# Altium PCB LimeSDR-Micro_M.2_2280_1v2.PcbDoc (part 2 of 9)
Units mm, origin at the board's own origin, x right, y up, seen from the top; angles counter-clockwise.
Board outline 80 x 22 mm, 8 copper layers (Top, L2, L3, L4, L5, L6, L7, Bottom), stack 0.775 mm thick; 678 components, 387 nets, 2375 pads, 919 vias.
Unrouted connection lines stored in the file: 254.
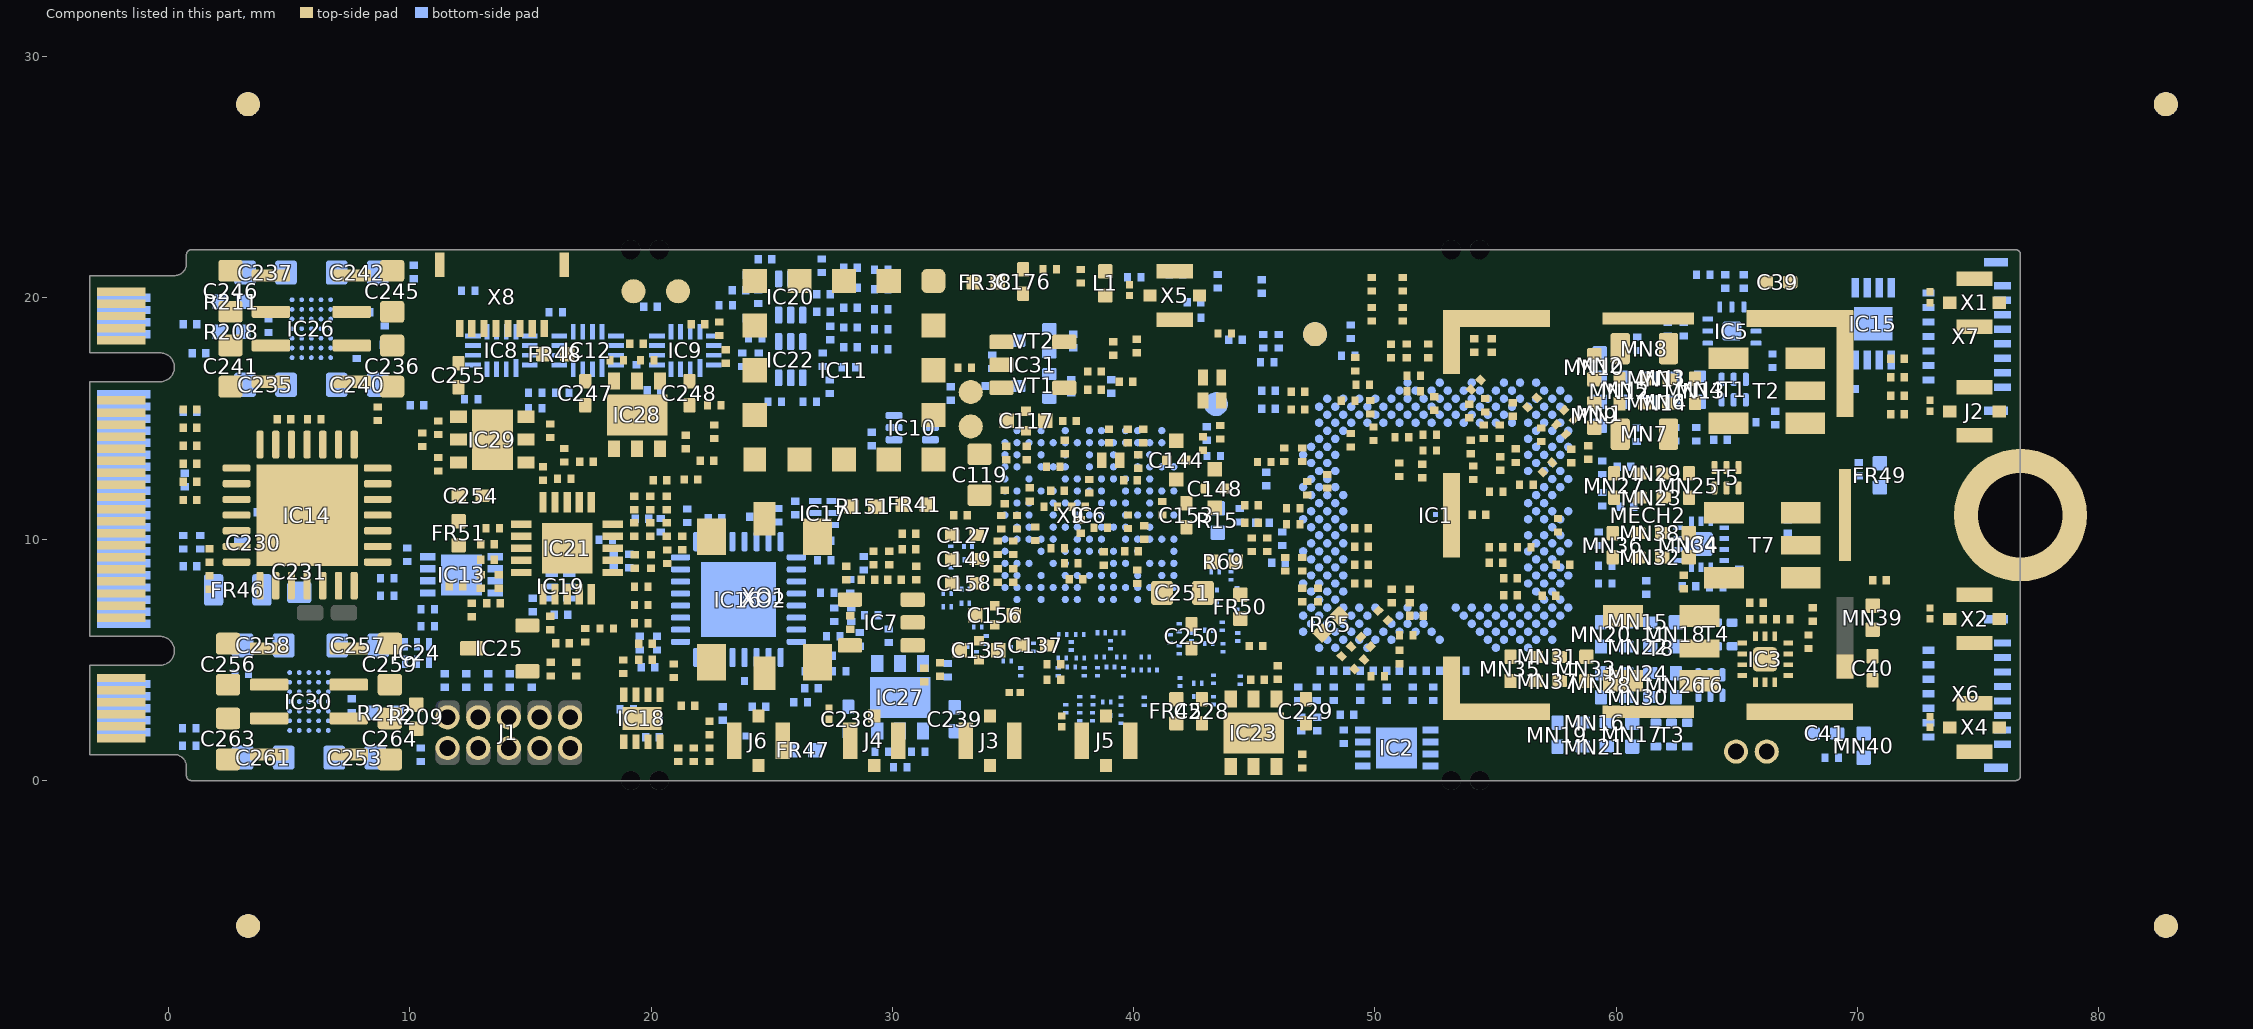
[diagram p8: the components of this part, seen from the top]

## Components (designator, comment, footprint, x,y, rotation, side; value= is the part's Value field where it differs from the comment) (continued)
R139 "10k, 1%" RES0201 1.705,8.205 r90 top
R140 "0R" RES0201 44.22,18.27 r180 bottom
R141 "0R" RES0201 43.487,20.695 r90 bottom
R142 "0R" RES0201 43.775,18.525 r0 top
R143 "330R, 1%" RES0201 0.9,15.275 r0 bottom
R144 "100k, 1%" RES0201 1.27,17.7 r180 bottom
R145 "330R, 1%" RES0201 49.875,19.325 r270 top
R146 "0R" RES0201 8.675,15.2 r90 top
R147 "100k, 1%" RES0201 1.325,9.875 r270 bottom
R148 "330R, 1%" RES0201 51.15,19.325 r270 top
R149 "100k, 1%" RES0201 6.045,14.975 r0 top
R150 "47R, 1%" RES0201 27.8,4.525 r0 bottom
R151 "0R" RES0402#1 28.8,11.35 r0 top
R152 "47R, 1%" RES0201 26.2,3.25 r0 bottom
R153 "0R" RES0201 27.175,9.125 r0 bottom
R154 "0R" RES0201 27.3,7.775 r0 bottom
R155 "0R" RES0201 0.625,9.875 r270 bottom
R156 "0R" RES0201 19.875,4.7 r0 bottom
R157 "0R" RES0201 22.975,2.775 r90 bottom
R158 "0R" RES0201 27.17,9.942 r180 bottom
R159 "10k, 1%" RES0201 25.975,11.295 r270 bottom
R160 "0R" RES0201 0.9,8.875 r180 bottom
R161 "100R, 1%" RES0201 21.12,1.065 r90 top
R162 "10k, 1%" RES0201 22.425,2.175 r270 top
R163 "0R" RES0201 18.855,4.72 r90 top
R164 "0R" RES0201 19.775,5 r180 top
R165 "0R" RES0201 16.275,6.875 r0 bottom
R166 "10k, 1%" RES0201 21.77,1.065 r270 top
R167 "0R" RES0201 36.695,4.175 r180 top
R168 "0R" RES0201 19,2.95 r180 bottom
R169 "3k, 1%" RES0201 19.775,5.675 r0 top
R170 "12.7k, 1%" RES0201 20.058,1.8 r180 bottom
R171 "0R" RES0201 24.45,20.05 r270 bottom
R172 "47R, 1%" RES0201 16.4,13.48 r90 top
R173 "0R" RES0201 24.725,21.6 r0 bottom
R174 "0R" RES0201 23.65,20.325 r180 bottom
R175 "10R, 1%" RES0201 21.3,9.84 r270 top
R176 "0R" RES0201 27.15,20.15 r180 bottom
R177 "1k, 1%" RES0201 13.475,7.35 r0 top
R178 "47R, 1%" RES0201 36.695,4.825 r180 top
R179 "0R" RES0201 27.43,18.545 r90 bottom
R180 "470, 1%" RES0201 19.3,11.5 r270 top
R181 "47R, 1%" RES0201 12.95,8.25 r270 top
R182 "0R" RES0201 27.15,19.425 r180 bottom
R183 "0R" RES0201 24.464,17.44 r270 bottom
R184 "10k, 1%" RES0201 19.3,10.4 r90 top
R185 "330R, 1%" RES0201 20.375,12.45 r180 top
R186 "10k, 1%" RES0201 19.6,8.025 r0 top
R187 "0R" RES0201 23.789,17.44 r270 bottom
R188 "47R, 1%" RES0201 18.17,6.3 r0 top
R189 "0R" RES0201 0.675,12.45 r270 bottom
R190 "47R, 1%" RES0201 19.6,6.525 r0 top
R191 "47R, 1%" RES0201 19.6,7.275 r0 top
R192 "0R" RES0201 3.968,11.125 r180 bottom
R193 "0R" RES0201 27.114,17.44 r270 bottom
R194 "0R" RES0201 45.075,5.575 r0 top
R195 "10k, 1%" RES0201 10.75,6.4 r180 bottom
R196 "5.6k, 1%" RES0201 45.975,4.475 r90 top
R197 "330R, 1%" RES0201 16.901,4.617 r270 top
R198 "0R" RES0201 16.331,5.688 r180 top
R199 "10k, 1%" RES0201 45.13,4.175 r0 top
R200 "0R" RES0201 15.826,6.525 r90 top
R201 "0R" RES0201 30.325,0.55 r0 bottom
R202 "7.5k, 1%" RES0201 31.07,1.2 r180 bottom
R203 "10k, 1%" RES0201 29.56,1.2 r180 bottom
R204 "3k3, 1%" RES0201 8.08,19.4 r180 bottom
R205 "47k, 1%" RES0201 7.8,17.77 r90 bottom
R206 "100k, 1%" RES0201 8.966,19.12 r270 bottom
R207 "0R" RES0201 19.4,18.1 r0 top
R208 "0R" RES0402#2 2.6,18.6 r180 bottom
R209 "0R" RES0402#1 10.275,2.65 r90 top
R210 "0R" RES0201 40.125,18.005 r270 top
R211 "0R" RES0402#2 2.6,19.85 r180 bottom
R212 "0R" RES0402#2 8.975,2.8 r0 bottom
R213 "0R" RES0201 39.68,16.525 r0 top
R214 "12.7k, 1%" RES0201 19.845,17.425 r180 top
R215 "0R" RES0201 9.175,18.05 r180 bottom
R216 "10k, 1%" RES0201 18.585,17.425 r180 top
R217 "0R" RES0201 10.525,14.125 r90 top
R218 "31.6k, 1%" RES0201 11.175,14.62 r270 top
R219 "10k, 1%" RES0201 11.175,13.11 r270 top
R220 "3k3, 1%" RES0201 3.045,4.425 r0 bottom
R221 "100k, 1%" RES0201 0.87,2.175 r0 bottom
R222 "3k3, 1%" RES0201 0.87,1.45 r0 bottom
R223 "3k3, 1%" RES0201 38.375,16.95 r180 top
R224 "4.7k, 1%" RES0201 38.375,16.2 r0 top
R225 "0R" RES0201 10.175,21.075 r270 bottom
R226 "0R" RES0201 12.425,20.3 r180 bottom
R227 "0R" RES0201 45.3,20.475 r90 bottom
R228 "0R" RES0201 10.3,15.55 r180 bottom
R229 "0R" RES0201 71.655,16.715 r0 top
R230 "0R" RES0201 71.655,15.175 r0 top
R231 "0R" RES0201 71.655,15.945 r0 top
R232 "0R" RES0201 71.655,17.485 r0 top
T1 "3600BL14M050" 3600BL14M050_balun_0603 64.867,16.2 r0 bottom
T2 "TC1-1-13M-45+" TC1-1-13MA+_JA4220-AL_ 66.241,16.15 r270 top
T3 "B0322J5050AHF" Anaren_0805_balun_B0322J5050AHF 62.291,1.9 r0 bottom
T4 "B0322J5050AHF" Anaren_0805_balun_B0322J5050AHF 64.15,6.055 r0 bottom
T5 "3600BL14M050" 3600BL14M050_balun_0603 64.566,12.55 r0 top
T6 "3600BL14M050" 3600BL14M050_balun_0603 63.899,3.955 r0 bottom
T7 "TC1-1-13M-45+" TC1-1-13MA+_JA4220-AL_ 66.054,9.75 r270 top
T8 "TC1-1-13M-45+" TC1-1-13MA+_JA4220-AL_ 61.866,5.475 r270 top
TP1 "TESTPOINT_PAD" TP_PAD_1MM#1 43.416,15.6 r180 bottom
TP2 "TESTPOINT_PAD" TP_PAD_1MM#2 33.25,16.1 r90 top
TP3 "TESTPOINT_PAD" TP_PAD_1MM#1 19.275,20.275 r90 top
TP4 "TESTPOINT_PAD" TP_PAD_1MM#1 21.12,20.275 r90 top
TP5 "TESTPOINT_PAD" TP_PAD_1MM#2 33.25,14.675 r90 top
VT1 "DMG1012T" SOT523 35.866,16.35 r180 bottom
VT2 "DMG1012T" SOT523 35.866,18.225 r180 bottom
X1 "MHF4" IPEX_MHF4_conn 74.85,19.8 r90 top locked
X2 "MHF4" IPEX_MHF4_conn 74.85,6.7 r90 top locked
X4 "MHF4" IPEX_MHF4_conn 74.85,2.2 r90 top locked
X5 "MHF4" IPEX_MHF4_conn 41.7,20.1 r90 top
X6 "5025981593" 5025981593_FPC_CONNECTOR 74.475,3.6 r270 bottom locked
X7 "5025981593" 5025981593_FPC_connector 74.475,18.4 r270 bottom locked
X8 "8-pin FPC connector" 503480-0800_8PIN_FPC_CONN 13.825,20.05 r180 top locked
X9 "PCIe_M.2_2280_B+M_key" PCIE_M.2_2280_B+M_KEY -3.25,11 r270 top locked
XO1 "E6245LF 30.72 MHz" RAKON_RPT7050A 24.7,7.65 r90 top locked
XO2 "E5280LF 30.72MHz" RAKON_TXCO 24.7,7.65 r90 top locked

## Footprints (in the part's own frame and the unit in brackets; to place one, negate y for a bottom-side part, rotate by r counter-clockwise, add the part's x,y. Pads: shape width x height; smd on the part's side, far side on the other; paste and mask are expansions set on the pad)
74LVC1G3157FZ4_SPDT_SW_DFN1410-6 [mm]
  rect 0.525x0.25 smd mask+0.05: 1(-0.363,0.5) 2(-0.363,0) 3(-0.363,-0.5) 4(0.363,-0.5) 5(0.363,0) 6(0.363,0.5)
  silkscreen extent -0.82,-0.8 0.5,0.9, body extent -0.51,-0.7 0.51,0.7, height 0.4
3600BL14M050_balun_0603 [mm]
  rrect50% 0.25x0.55 smd mask+0.04: 1(0.5,0.425) 2(0,0.425) 3(-0.5,0.425) 4(-0.5,-0.425) 5(0,-0.425) 6(0.5,-0.425)
  silkscreen extent -0.92,-0.53 0.92,0.53, body extent -0.8,-0.41 0.8,0.41, height 0.6
503480-0800_8PIN_FPC_CONN [mm]
  rect 0.3x0.7 smd mask+0.05: 1(-1.75,1.325) 2(-1.25,1.325) 3(-0.75,1.325) 4(-0.25,1.325) 5(0.25,1.325) 6(0.75,1.325) 7(1.25,1.325) 8(1.75,1.325)
  rect 0.4x1 smd mask+0.05: MECH(-2.58,-1.325) MECH(2.58,-1.325)
  silkscreen extent -3,-1.8 3,2.03, body extent -2.85,-1.92 2.85,1.68, height 1.88
5025981593_FPC_CONNECTOR [mm]
  rect 0.3x0.7 smd mask+0.05: 1(-2.1,-1.532) 3(-1.5,-1.532) 5(-0.9,-1.532) 7(-0.3,-1.532) 9(0.3,-1.532) 11(0.9,-1.532) 13(1.5,-1.532) 15(2.1,-1.532)
  rect 0.3x0.5 smd mask+0.05: 2(-1.8,1.533) 4(-1.2,1.533) 6(-0.6,1.533) 8(0,1.533) 10(0.6,1.533) 12(1.2,1.533) 14(1.8,1.533)
  rect 0.35x1 smd mask+0.05: MP1(-3.075,-1.267) MP2(3.075,-1.267)
  silkscreen extent -3.3,-1.9 3.3,1.78, body extent -3.3,-1.77 3.3,2.03, height 1.16
5025981593_FPC_connector [mm]
  rect 0.3x0.7 smd mask+0.05: 1(-2.1,-1.532) 3(-1.5,-1.532) 5(-0.9,-1.532) 7(-0.3,-1.532) 9(0.3,-1.532) 11(0.9,-1.532) 13(1.5,-1.532) 15(2.1,-1.532)
  rect 0.3x0.5 smd mask+0.05: 2(-1.8,1.533) 4(-1.2,1.533) 6(-0.6,1.533) 8(0,1.533) 10(0.6,1.533) 12(1.2,1.533) 14(1.8,1.533)
  rect 0.35x1 smd mask+0.05: MP1(-3.075,-1.267) MP2(3.075,-1.267)
  silkscreen extent -3.3,-1.9 3.3,1.78, body extent -3.3,-1.77 3.3,2.03, height 1.16
AD5693RACPZ-1RL7_DAC_8LFCSP [mm]
  rect 0.6x0.3 smd mask+0.05: 1(-0.975,0.75) 2(-0.975,0.25) 3(-0.975,-0.25) 4(-0.975,-0.75) 5(0.975,-0.75) 6(0.975,-0.25) 7(0.975,0.25) 8(0.975,0.75)
  rect 0.95x1.6 smd mask+0.05: PAD(0,0)
  silkscreen extent -1.5,-1.1 1.5,1.54, body extent -1.02,-1 1.01,1, height 0.55
ADF4002 [mm]
  rect 0.85x0.3 smd mask+0.05: 1(-1.9,1) 2(-1.9,0.5) 3(-1.9,0) 4(-1.9,-0.5) 5(-1.9,-1) 11(1.9,-1) 12(1.9,-0.5) 13(1.9,0) 14(1.9,0.5) 15(1.9,1)
  rect 0.3x0.85 smd mask+0.05: 6(-1,-1.9) 7(-0.5,-1.9) 8(0,-1.9) 9(0.5,-1.9) 10(1,-1.9) 16(1,1.9) 17(0.5,1.9) 18(0,1.9) 19(-0.5,1.9) 20(-1,1.9)
  rect 2.1x2.1 smd mask+0.05: 21(0,0)
  silkscreen extent -2.3,-2.22 2.3,2.22, body extent -2.02,-2.02 2.02,2.02, height 0.8
Anaren_0805_balun_B0322J5050AHF [mm] "B0430J50100AHF anaren smd 0.4 GHz - 3 GHz balun"
  rrect30% 0.45x0.35 smd mask+0.05: 1(0.65,0.49) 2(0,0.49) 3(-0.65,0.49) 4(-0.65,-0.49) 5(0,-0.49) 6(0.65,-0.49)
  ASM BOT keep-out circle w0.1: c0.65,0.45 r0.035
  silkscreen extent -1.1,-0.4 1.1,0.8, body extent -1.02,-0.65 1.03,0.65, height 0.71
AP7330-W5-7_SOT25 [mm]
  round 0.5 on Mech15: 0(0,0)
  rrect25% 1x0.6 smd: 1(-1.3,0.95) 2(-1.3,0) 3(-1.3,-0.95) 4(1.3,-0.95) 5(1.3,0.95)
  silkscreen extent -1.27,-1.35 0.51,1.7, body extent -1.4,-1.45 1.4,1.45, height 1.19
ATECC508A_UDFN8_v2 [mm]
  rect 0.8x0.3 smd mask+0.05: 1(-1.5,0.75) 2(-1.5,0.25) 3(-1.5,-0.25) 4(-1.5,-0.75) 5(1.5,-0.75) 6(1.5,-0.25) 7(1.5,0.25) 8(1.5,0.75)
  rect 1.4x1.6 smd mask+0.05: PAD(0,0)
  silkscreen extent -1.64,-1.1 1.2,1.24, body extent -1.5,-1 1.5,1, height 0.53
BMI-S-202-C_RF_SHIELD_COVER [mm]
  body extent -8.48,-8.48 8.48,8.48, height 4.03
BMI-S-202-F_RF_SHIELD_FRAME_v3 [mm]
  rect 0.7x2.65 smd mask+0.05: 1(-8.15,-7.175) 1(-8.15,7.175)
  rect 0.7x3.5 smd mask+0.05: 1(-8.15,0)
  rect 4.4x0.7 smd mask+0.05: 1(-6.275,-8.15) 1(-6.275,8.15) 1(6.275,-8.15) 1(6.275,8.15)
  rect 3.8x0.5 smd mask+0.05: 1(0,-8.15) 1(0,8.15)
  rect 0.7x1 smd mask+0.05: 1(8.15,-6.275)
  rect 0.5x3.8 smd mask+0.05: 1(8.15,0)
  rect 0.7x4.4 smd mask+0.05: 1(8.15,6.275)
  body extent -8.25,-8.25 8.25,8.25, height 3.6
CAP0201 [mm]
  rect 0.3x0.35 smd mask+0.05: 1(-0.28,0) 2(0.28,0)
  silkscreen extent -0.2,-0.33 0.2,0.32, body extent -0.3,-0.15 0.3,0.15, height 0.25
CAP0402#1 [mm] "Chip Capacitor, Body 1.0x0.5mm, 0402, IPC Medium Density"
  round 0.2 on Mech15: 0(0,0)
  rrect20% 0.6x0.5 smd: 1(-0.5,0) 2(0.5,0)
  Top pour cut-out: -0.2,0.35 0.2,0.35 0.2,-0.35 -0.2,-0.35
  silkscreen extent -1.05,-0.5 1.05,0.5, body extent -0.52,-0.27 0.53,0.28, height 0.55
CAP0402#2 [mm] "Chip Capacitor, Body 1.0x0.5mm, 0402, IPC Medium Density"
  round 0.2 on Mech14: 0(0,0)
  rrect20% 0.6x0.5 smd: 1(-0.5,0) 2(0.5,0)
  Top pour cut-out: -0.2,0.35 0.2,0.35 0.2,-0.35 -0.2,-0.35
  silkscreen extent -1.05,-0.5 1.05,0.5, body extent -0.52,-0.27 0.53,0.28, height 0.55
CAP0603#1 [mm] "Chip Capacitor, Body 1.6x0.8mm, 0603, IPC Medium Density"
  round 0.254 on Mech15: 0(0,0)
  rrect25% 0.9x1 smd: 1(-0.85,0) 2(0.85,0)
  Top pour cut-out: -0.4,0.6 0.4,0.6 0.4,-0.6 -0.4,-0.6
  silkscreen extent -0.18,-0.48 0.18,0.48, body extent -0.85,-0.45 0.85,0.45, height 0.89
CAP0603#2 [mm] "Chip Capacitor, Body 1.6x0.8mm, 0603, IPC Medium Density"
  round 0.254 on Mech14: 0(0,0)
  rrect25% 0.9x1 smd: 1(-0.85,0) 2(0.85,0)
  Top pour cut-out: -0.4,0.6 0.4,0.6 0.4,-0.6 -0.4,-0.6
  silkscreen extent -0.18,-0.48 0.18,0.48, body extent -0.85,-0.45 0.85,0.45, height 0.89
CAP0603_FEEDTHROUGH [mm]
  rect 0.6x0.6 smd mask+0.05: 1(-0.8,0) 3(0.8,0)
  rect 0.4x0.4 smd mask+0.05: 2(0,0.4) 2(0,-0.4)
  Top region: 0.375,0.425
  Top region: -0.2,-0.6 -0.2,0.6 0.2,0.6 0.2,-0.6
  Top region: -0.375,-0.4
  silkscreen extent -1.15,-0.65 1.15,0.65, body extent -0.8,-0.4 0.8,0.4, height 0.6
CAP01005 [mm]
  rect 0.15x0.215 smd paste+0 mask+0.03: 1(-0.165,0) 2(0.165,0)
  silkscreen extent -0.13,-0.23 0.13,0.23, body extent -0.2,-0.1 0.2,0.1, height 0.22
ESD8472_X3DFN2 [mm]
  rect 0.31x0.3 smd mask+0.05: 1(-0.225,0) 2(0.225,0)
  silkscreen extent -0.2,-0.33 0.2,0.33, body extent -0.34,-0.17 0.34,0.18, height 0.33
Fiducial [mm]
  round 1 smd paste-1 mask+1: 1(0,0)
  Top pour cut-out: 0,1.5 -0.574,1.386 -1.061,1.061 -1.386,0.574 -1.5,0 -1.5,0 -1.386,-0.574 -1.061,-1.061 -0.574,-1.386 0,-1.5 0,-1.5 0.574,-1.386 1.061,-1.061 1.386,-0.574 1.5,0 1.5,0 1.386,0.574 1.061,1.061 0.574,1.386 0,1.5
Fiducial_local [mm]
  round 1 smd paste-1 mask+0.5: 1(0,0)
  Top pour cut-out: -1.05,0 -0.97,-0.402 -0.742,-0.742 -0.402,-0.97 0,-1.05 0,-1.05 0.402,-0.97 0.742,-0.742 0.97,-0.402 1.05,0 1.05,0 0.97,0.402 0.742,0.742 0.402,0.97 0,1.05 0,1.05 -0.402,0.97 -0.742,0.742 -0.97,0.402 -1.05,0
HEADER_2x1_TH_HALF_PITCH [mm]
  round 1 hole 0.65 mask+0.05: 1(-0.635,0) 2(0.635,0)
  silkscreen extent -1.4,-1.37 1.4,1.37, body extent -1.27,-1.2 1.27,1.2, height 5
HEADER_5x2_TH_HALF_PITCH [mm]
  round 1 hole 0.65 mask+0.05: 1(-2.54,-0.635) 2(-2.54,0.635) 3(-1.27,-0.635) 4(-1.27,0.635) 5(0,-0.635) 6(0,0.635) 7(1.27,-0.635) 8(1.27,0.635) 9(2.54,-0.635) 10(2.54,0.635)
  silkscreen extent -3.3,-2 3.3,2, body extent -3.17,-1.83 3.18,1.84, height 5
IND0806 [mm]
  rrect30% 0.5x1.6 smd mask+0.05: 1(-0.75,0) 2(0.75,0)
  silkscreen extent -1.2,-1 1.2,1, body extent -1,-0.8 1,0.8, height 0.99
IPEX_MHF4_conn [mm] "X.FL-R-SMT-1(02)"
  rect 0.5x0.55 smd mask+0.05: 1(0,1.025) 2(0,-1.025)
  rect 0.6x1.5 smd mask+0.05: 2(-1,0) 2(1,0)
  Top pour cut-out: -0.7,-0.75 -0.7,0.75 0.7,0.75 0.7,-0.75
  silkscreen extent -1.5,-1.47 1.5,1.53, body extent -1,-0.97 1,1.02, height 0.56
LA9310X7S11AA [mm] "BGA, 81-Leads, Body 8,00x8,00mmx0,45mm, Pitch 0,50mm"
  round 0.3 smd mask+0.05: A2(-3,3.5) A4(-2,3.5) A6(-1,3.5) A7(-0.5,3.5) A9(0.5,3.5) A10(1,3.5) A12(2,3.5) A14(3,3.5) B1(-3.5,3) B2(-3,3) B3(-2.5,3) B4(-2,3) B5(-1.5,3) B6(-1,3) B7(-0.5,3) B9(0.5,3) B10(1,3) B11(1.5,3) B12(2,3) B13(2.5,3) B14(3,3) B15(3.5,3) C1(-3.5,2.5) C2(-3,2.5) C4(-2,2.5) C6(-1,2.5) C7(-0.5,2.5) C8(0,2.5) C9(0.5,2.5) C10(1,2.5) C12(2,2.5) C14(3,2.5) C15(3.5,2.5) D1(-3.5,2) D2(-3,2) D3(-2.5,2) D5(-1.5,2) D6(-1,2) D10(1,2) D11(1.5,2) D13(2.5,2) D14(3,2) D15(3.5,2) E1(-3.5,1.5) E4(-2,1.5) E6(-1,1.5) E7(-0.5,1.5) E8(0,1.5) E9(0.5,1.5) E10(1,1.5) E12(2,1.5) E15(3.5,1.5) F1(-3.5,1) F2(-3,1) F3(-2.5,1) F4(-2,1) F5(-1.5,1) F7(-0.5,1) F8(0,1) F9(0.5,1) F11(1.5,1) F12(2,1) F13(2.5,1) F14(3,1) F15(3.5,1) G2(-3,0.5) G3(-2.5,0.5) G5(-1.5,0.5) G6(-1,0.5) G7(-0.5,0.5) G9(0.5,0.5) G10(1,0.5) G11(1.5,0.5) G13(2.5,0.5) H1(-3.5,0) H2(-3,0) H3(-2.5,0) H5(-1.5,0) H7(-0.5,0) H8(0,0) H9(0.5,0) H11(1.5,0) H12(2,0) H13(2.5,0) H14(3,0) H15(3.5,0) J2(-3,-0.5) J3(-2.5,-0.5) J5(-1.5,-0.5) J6(-1,-0.5) J7(-0.5,-0.5) J9(0.5,-0.5) J10(1,-0.5) J11(1.5,-0.5) J13(2.5,-0.5) K1(-3.5,-1) K2(-3,-1) K4(-2,-1) K5(-1.5,-1) K7(-0.5,-1) K8(0,-1) K9(0.5,-1) K11(1.5,-1) K12(2,-1) K13(2.5,-1) K14(3,-1) K15(3.5,-1) L1(-3.5,-1.5) L3(-2.5,-1.5) L6(-1,-1.5) L7(-0.5,-1.5) L9(0.5,-1.5) L10(1,-1.5) L11(1.5,-1.5) L13(2.5,-1.5) M1(-3.5,-2) M2(-3,-2) M4(-2,-2) M5(-1.5,-2) M6(-1,-2) M8(0,-2) M10(1,-2) M12(2,-2) M13(2.5,-2) M14(3,-2) M15(3.5,-2) N1(-3.5,-2.5) N2(-3,-2.5) N4(-2,-2.5) N6(-1,-2.5) N8(0,-2.5) N10(1,-2.5) N12(2,-2.5) N13(2.5,-2.5) P1(-3.5,-3) P2(-3,-3) P3(-2.5,-3) P4(-2,-3) P5(-1.5,-3) P6(-1,-3) P7(-0.5,-3) P8(0,-3) P9(0.5,-3) P10(1,-3) P11(1.5,-3) P12(2,-3) P13(2.5,-3) P14(3,-3) P15(3.5,-3) R2(-3,-3.5) R4(-2,-3.5) R6(-1,-3.5) R8(0,-3.5) R9(0.5,-3.5) R11(1.5,-3.5) R12(2,-3.5) R14(3,-3.5)
  silkscreen extent -4.3,-4.3 4.3,4.3, body extent -4,-4 4,4, height 0.45
LD39100PUR [mm]
  rect 0.5x0.7 smd mask+0.05: 1(-0.95,-1.4) 2(0,-1.4) 3(0.95,-1.4) 4(0.95,1.4) 5(0,1.4) 6(-0.95,1.4)
  rect 2.5x1.7 smd mask+0.05: PAD(0,0)
  silkscreen extent -1.6,-1.6 1.6,1.6, body extent -1.5,-1.55 1.5,1.55, height 0.8
LED0201 [mm]
  rect 0.3x0.35 smd mask+0.05: A(-0.28,0) K(0.28,0)
  silkscreen extent -0.2,-0.33 0.2,0.33, body extent -0.35,-0.5 0.35,0.18, height 0.2
LMK00101_WQFN32 [mm] "QFN, 24-Leads, Body 4,00x4,00mm, Pitch 0,50mm, Thermal Pad 2,55x2,55mm, IPC Medium Density"
  rrect50% 0.8x0.25 smd mask+0.05: 1(-2.4,1.75) 2(-2.4,1.25) 3(-2.4,0.75) 4(-2.4,0.25) 5(-2.4,-0.25) 6(-2.4,-0.75) 7(-2.4,-1.25) 8(-2.4,-1.75) 17(2.4,-1.75) 18(2.4,-1.25) 19(2.4,-0.75) 20(2.4,-0.25) 21(2.4,0.25) 22(2.4,0.75) 23(2.4,1.25) 24(2.4,1.75)
  rect 3.1x3.1 smd mask+0.05: 4(0,0)
  rrect50% 0.25x0.8 smd mask+0.05: 9(-1.75,-2.4) 10(-1.25,-2.4) 11(-0.75,-2.4) 12(-0.25,-2.4) 13(0.25,-2.4) 14(0.75,-2.4) 15(1.25,-2.4) 16(1.75,-2.4) 25(1.75,2.4) 26(1.25,2.4) 27(0.75,2.4) 28(0.25,2.4) 29(-0.25,2.4) 30(-0.75,2.4) 31(-1.25,2.4) 32(-1.75,2.4)
  silkscreen extent -2.8,-2.8 2.8,2.8, body extent -2.52,-2.51 2.5,2.51, height 0.8
LMS7002M_V5_LESS_SILK [mm] "LMS7002 without AM2 pad (internally unconnected)"
  round 0.35 smd mask+0: A5(-3.998,5.49) A7(-3.332,5.49) A9(-2.666,5.49) A13(-1.334,5.49) A17(-0.002,5.49) A21(1.33,5.49) AA1(-5.33,-1.17) AA3(-4.664,-1.17) AA5(-3.998,-1.17) AA29(3.994,-1.17) AA31(4.66,-1.17) AA33(5.326,-1.17) AB2(-4.997,-1.503) AB4(-4.331,-1.503) AB6(-3.665,-1.503) AB30(4.327,-1.503) AB32(4.993,-1.503) AB34(5.659,-1.503) AC3(-4.664,-1.836) AC5(-3.998,-1.836) AC29(3.994,-1.836) AC31(4.66,-1.836) AC33(5.326,-1.836) AD2(-4.997,-2.169) AD4(-4.331,-2.169) AD6(-3.665,-2.169) AD30(4.327,-2.169) AD32(4.993,-2.169) AE1(-5.33,-2.502) AE3(-4.664,-2.502) AE5(-3.998,-2.502) AE29(3.994,-2.502) AE31(4.66,-2.502) AE33(5.326,-2.502) AF2(-4.997,-2.835) AF4(-4.331,-2.835) AF6(-3.665,-2.835) AF30(4.327,-2.835) AF32(4.993,-2.835) AF34(5.659,-2.835) AG3(-4.664,-3.168) AG5(-3.998,-3.168) AG29(3.994,-3.168) AG31(4.66,-3.168) AG33(5.326,-3.168) AH2(-4.997,-3.501) AH4(-4.331,-3.501) AH30(4.327,-3.501) AH32(4.993,-3.501) AJ1(-5.33,-3.834) AJ3(-4.664,-3.834) AJ5(-3.998,-3.834) AJ7(-3.332,-3.834) AJ9(-2.666,-3.834) AJ11(-2,-3.834) AJ13(-1.334,-3.834) AJ15(-0.668,-3.834) AJ19(0.664,-3.834) AJ21(1.33,-3.834) AJ25(2.662,-3.834) AJ27(3.328,-3.834) AJ29(3.994,-3.834) AJ31(4.66,-3.834) AJ33(5.326,-3.834) AK2(-4.997,-4.167) AK4(-4.331,-4.167) AK6(-3.665,-4.167) AK8(-2.999,-4.167) AK10(-2.333,-4.167) AK12(-1.667,-4.167) AK14(-1.001,-4.167) AK20(0.997,-4.167) AK22(1.663,-4.167) AK26(2.995,-4.167) AK28(3.661,-4.167) AK30(4.327,-4.167) AK32(4.993,-4.167) AK34(5.659,-4.167) AL3(-4.664,-4.5) AL5(-3.998,-4.5) AL7(-3.332,-4.5) AL9(-2.666,-4.5) AL11(-2,-4.5) AL13(-1.334,-4.5) AL19(0.664,-4.5) AL21(1.33,-4.5) AL23(1.996,-4.5) AL27(3.328,-4.5) AL29(3.994,-4.5) AL31(4.66,-4.5) AL33(5.326,-4.5) AM4(-4.331,-4.833) AM6(-3.665,-4.833) AM8(-2.999,-4.833) AM10(-2.333,-4.833) AM12(-1.667,-4.833) AM18(0.331,-4.833) AM20(0.997,-4.833) AM22(1.663,-4.833) AM24(2.329,-4.833) AM26(2.995,-4.833) AM28(3.661,-4.833) AM30(4.327,-4.833) AM34(5.659,-4.833) AN3(-4.664,-5.166) AN5(-3.998,-5.166) AN7(-3.332,-5.166) AN9(-2.666,-5.166) AN11(-2,-5.166) AN17(-0.002,-5.166) AN23(1.996,-5.166) AN25(2.662,-5.166) AN27(3.328,-5.166) AN29(3.994,-5.166) AN31(4.66,-5.166) AP6(-3.665,-5.499) AP10(-2.333,-5.499) AP26(2.995,-5.499) AP30(4.327,-5.499) AP32(4.993,-5.499) B2(-4.997,5.157) B4(-4.331,5.157) B8(-2.999,5.157) B10(-2.333,5.157) B12(-1.667,5.157) B14(-1.001,5.157) B16(-0.335,5.157) B18(0.331,5.157) B20(0.997,5.157) B22(1.663,5.157) C1(-5.33,4.824) C3(-4.664,4.824) C5(-3.998,4.824) C7(-3.332,4.824) C9(-2.666,4.824) C11(-2,4.824) C13(-1.334,4.824) C15(-0.668,4.824) C17(-0.002,4.824) C19(0.664,4.824) C21(1.33,4.824) C23(1.996,4.824) C25(2.662,4.824) C27(3.328,4.824) C29(3.994,4.824) C31(4.66,4.824) D2(-4.997,4.491) D4(-4.331,4.491) D6(-3.665,4.491) D8(-2.999,4.491) D10(-2.333,4.491) D12(-1.667,4.491) D14(-1.001,4.491) D16(-0.335,4.491) D18(0.331,4.491) D20(0.997,4.491) D22(1.663,4.491) D24(2.329,4.491) D26(2.995,4.491) D28(3.661,4.491) D30(4.327,4.491) D32(4.993,4.491) E3(-4.664,4.158) E5(-3.998,4.158) E9(-2.666,4.158) E11(-2,4.158) E13(-1.334,4.158) E15(-0.668,4.158) E17(-0.002,4.158) E19(0.664,4.158) E21(1.33,4.158) E23(1.996,4.158) E25(2.662,4.158) E27(3.328,4.158) E29(3.994,4.158) E31(4.66,4.158) F2(-4.997,3.825) F4(-4.331,3.825) F6(-3.665,3.825) F8(-2.999,3.825) F10(-2.333,3.825) F12(-1.667,3.825) F14(-1.001,3.825) F16(-0.335,3.825) F18(0.331,3.825) F20(0.997,3.825) F22(1.663,3.825) F24(2.329,3.825) F26(2.995,3.825) F28(3.661,3.825) F30(4.327,3.825) F32(4.993,3.825) G1(-5.33,3.492) G3(-4.664,3.492) G5(-3.998,3.492) G29(3.994,3.492) G31(4.66,3.492) H2(-4.997,3.159) H6(-3.665,3.159) H30(4.327,3.159) H32(4.993,3.159) J1(-5.33,2.826) J3(-4.664,2.826) J5(-3.998,2.826) J31(4.66,2.826) J33(5.326,2.826) K2(-4.997,2.493) K4(-4.331,2.493) K6(-3.665,2.493) K30(4.327,2.493) K32(4.993,2.493) K34(5.659,2.493) L3(-4.664,2.16) L5(-3.998,2.16) L31(4.66,2.16) L33(5.326,2.16) M2(-4.997,1.827) M4(-4.331,1.827) M6(-3.665,1.827) M30(4.327,1.827) M32(4.993,1.827) N1(-5.33,1.494) N3(-4.664,1.494) N31(4.66,1.494) N33(5.326,1.494) P2(-4.997,1.161) P4(-4.331,1.161) P30(4.327,1.161) P32(4.993,1.161) P34(5.659,1.161) R3(-4.664,0.828) R5(-3.998,0.828) R29(3.994,0.828) R31(4.66,0.828) R33(5.326,0.828) T4(-4.331,0.495) T6(-3.665,0.495) T30(4.327,0.495) T32(4.993,0.495) U1(-5.33,0.162) U3(-4.664,0.162) U5(-3.998,0.162) U29(3.994,0.162) U31(4.66,0.162) U33(5.326,0.162) V2(-4.997,-0.171) V4(-4.331,-0.171) V6(-3.665,-0.171) V30(4.327,-0.171) V32(4.993,-0.171) V34(5.659,-0.171) W3(-4.664,-0.504) W29(3.994,-0.504) W31(4.66,-0.504) W33(5.326,-0.504) Y2(-4.997,-0.837) Y4(-4.331,-0.837) Y6(-3.665,-0.837) Y30(4.327,-0.837) Y32(4.993,-0.837)